# Altium PCB PCB_1313.PcbDoc (part 2 of 2)
Units mm, origin at the board's own origin, x right, y up, seen from the top; angles counter-clockwise.
Board outline 130 x 130 mm, 4 copper layers (Top Layer, Ground Layer, VCC Layer, Bottom Layer), stack 1.586 mm thick; 164 components, 132 nets, 777 pads, 544 vias.
Unrouted connection lines stored in the file: 67.
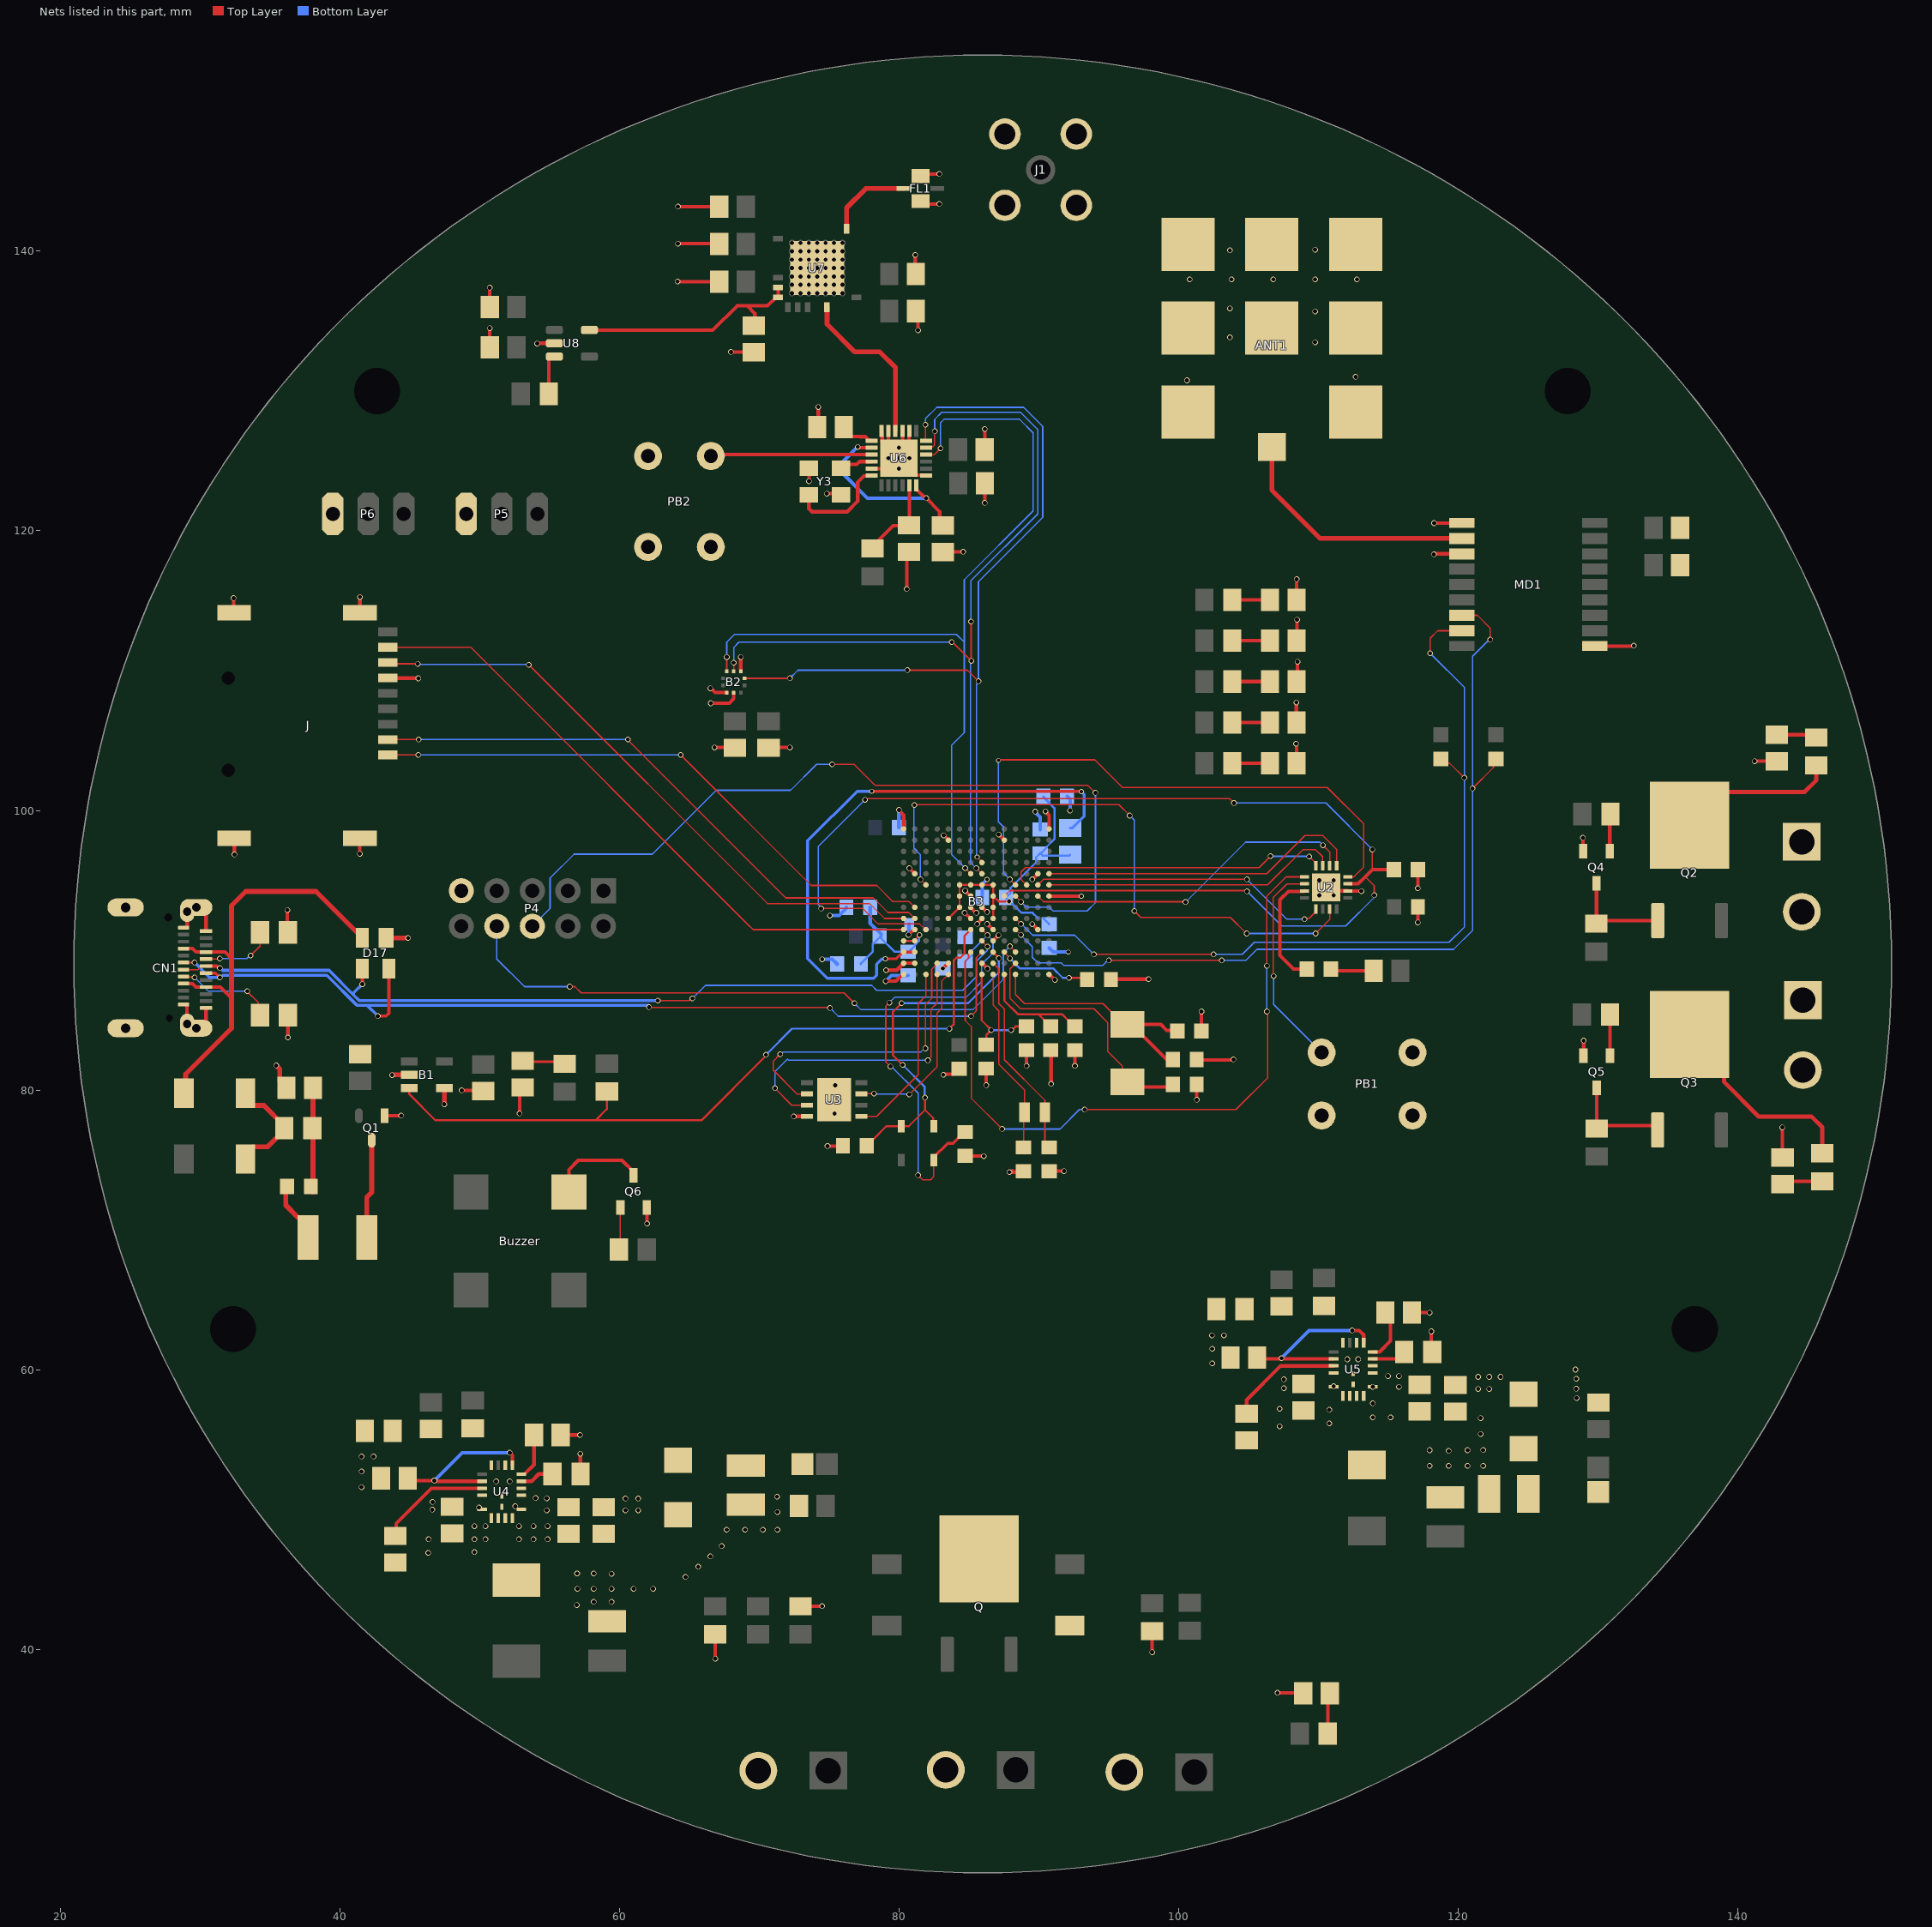
[diagram p4: the nets of this part, all layers, seen from the top]

## Via types
v1: diameter 0.4, hole 0.3, Top Layer to Bottom Layer, 530 vias
v2: diameter 0.35, hole 0.25, Top Layer to Bottom Layer, 14 vias

## Nets (pads, with @x,y where several pads share a name; then routed paths per layer and width w, separated by ;. In a path a pad name is that pad's centre, name@x,y a point inside that pad or via, vN(x,y) a via of type N, cw(c..) or ccw(c..) an arc to the next point about the centre after c; other vN are vias at no path point) (continued)
D_N: B3.M8 CN1.A7 CN1.B7 D17.4 | length 69.3
  Top Layer w0.1: CN1.B7@28.837,89.123 29.61,89.123 v1(29.616,89.129) ; v1(62.117,85.939) 62.148,85.908 75.026,85.908 v1(75.057,85.877) ; v1(85.142,85.289) 85.522,85.669 85.522,89.478 B3.M8@85.922,89.878
  Top Layer w0.222: CN1.A7@30.437,88.373 31.109,88.373 v1(31.42,88.062) ; v1(42.723,85.293) 43.307,85.293 43.51,85.496 D17.4@43.51,88.697
  Bottom Layer w0.1: v1(75.057,85.877) 75.646,85.289 v1(85.142,85.289)
  Bottom Layer w0.222: v1(29.616,89.129) 30.683,88.062 v1(31.42,88.062) 31.468,88.062 31.624,88.217 39.087,88.217 41.246,86.059 41.957,86.059 ; v1(42.723,85.293) 41.957,86.059 ; v1(62.117,85.939) 62.117,86.059 41.957,86.059
D_P: B3.L8 CN1.A6 CN1.B6 D17.3 | length 64
  Top Layer w0.1: CN1.B6@28.837,88.623 29.866,88.623 29.943,88.7 29.949,88.7 30.122,88.873 CN1.A6@30.437,88.873 ; v1@31.339,88.722 v1(31.42,88.722) ; v1(62.739,86.408) 64.99,86.408 65.138,86.556 v1(65.219,86.556) ; B3.L8@85.922,90.678 85.922,90.673 86.319,90.276 v1(86.319,90.271)
  Top Layer w0.222: CN1.A6@30.437,88.873 31.188,88.873 v1@31.339,88.722 ; v1(41.61,87.579) D17.3@41.61,88.697
  Bottom Layer w0.1: v1(65.219,86.556) 66.157,87.494 78.038,87.494 78.384,87.147 84.558,87.147 85.532,88.121 85.532,89.23 85.775,89.473 85.788,89.473 86.305,89.99 86.305,90.257 v1(86.319,90.271)
  Bottom Layer w0.222: v1(31.42,88.722) 31.468,88.722 31.624,88.567 39.232,88.567 40.988,86.81 ; v1(41.61,87.579) 40.988,86.957 40.988,86.81 ; v1(62.739,86.408) 41.391,86.408 40.988,86.81
DAT0: B3.J1 J.7 | length 44.5
  Top Layer w0.1: J.7@43.437,110.572 43.519,110.49 v1(45.568,110.49) ; v1(53.518,110.414) 70.587,93.345 77.889,93.345 78.956,92.278 B3.J1@80.322,92.278
  Bottom Layer w0.1: v1(45.568,110.49) 45.606,110.452 53.48,110.452 v1(53.518,110.414)
DAT0_F: B3.P3 U3.5 | length 12.7
  Top Layer w0.1: U3.5@77.305,78.131 78.385,78.131 81.356,81.102 81.356,86.194 81.922,86.76 B3.P3@81.922,88.278
DAT1: B3.K1 J.8 | length 45.2
  Top Layer w0.1: J.8@43.437,111.672 49.364,111.672 69.139,91.897 69.558,91.478 B3.K1@80.322,91.478
DAT1_F: B3.N4 U3.2 | length 21.5
  Top Layer w0.1: v1(71.497,82.573) 70.993,82.069 70.993,81.432 72.695,79.731 U3.2@73.405,79.731 ; v1(81.878,82.987) 81.878,86.123 82.332,86.576 82.332,88.643 82.722,89.033 B3.N4@82.722,89.078
  Bottom Layer w0.1: v1(71.497,82.573) 71.542,82.573 71.705,82.736 81.564,82.736 81.814,82.987 v1(81.878,82.987)
DAT2: B3.H2 J.1 | length 42.2
  Top Layer w0.1: J.1@43.437,103.972 v1(45.622,103.972) ; v1(64.379,103.972) 73.711,94.64 78.403,94.64 79.546,93.497 80.703,93.497 B3.H2@81.122,93.078
  Bottom Layer w0.1: v1(45.622,103.972) v1(64.379,103.972)
DAT2_F: B3.P4 U3.3 | length 21.7
  Top Layer w0.1: v1(71.12,80.137) 72.326,78.931 U3.3@73.405,78.931 ; v1(82.054,82.132) 82.29,82.369 82.29,82.452 82.284,82.458 82.284,85.803 82.704,86.224 82.704,88.26 B3.P4@82.722,88.278
  Bottom Layer w0.1: v1(71.12,80.137) 71.12,81.331 72.009,82.22 72.096,82.132 v1(82.054,82.132)
DAT3: B3.J2 J.2 | length 43.1
  Top Layer w0.1: J.2@43.437,105.072 43.445,105.08 45.636,105.08 v1(45.644,105.072) ; v1(60.604,105.08) 60.604,105.029 71.882,93.751 78.156,93.751 79.197,92.71 80.69,92.71 B3.J2@81.122,92.278
  Bottom Layer w0.1: v1(45.644,105.072) 45.648,105.076 60.6,105.076 v1(60.604,105.08) v1@60.604,105.029
DAT3_F: B3.P5 U3.7 | length 13.2
  Top Layer w0.1: U3.7@77.305,79.731 77.331,79.756 v1(78.207,79.756) ; v1(80.735,79.697) 82.704,81.667 82.704,85.516 83.039,85.851 83.039,87.795 B3.P5@83.522,88.278
  Bottom Layer w0.1: v1(78.207,79.756) 78.236,79.727 80.705,79.727 v1(80.735,79.697)
DCDC: B3.M1 B3.M2 L1.1 | length 42.2
  Top Layer w0.15: B3.M1@80.248,89.895 B3.M1@80.265,89.878
  Top Layer w0.2: v2(78.037,101.375) 78.051,101.361 93.014,101.361 v2(93.027,101.348) ; v2(79.018,89.389) 79.763,89.389 80.248,89.875 B3.M1@80.248,89.895 ; B3.M1@80.265,89.878 B3.M2@81.122,89.878
  Bottom Layer w0.2: v2(78.037,101.375) 76.997,101.375 73.461,97.839 73.461,89.405 74.862,88.004 78.181,88.004 78.384,88.207 78.384,88.998 78.771,89.385 78.907,89.385 78.912,89.389 v2(79.018,89.389) ; L1.1@92.227,98.74 92.377,98.74 93.234,99.596 93.234,101.141 v2(93.027,101.348)
E14: B3.E14 U2.5 | length 23.3
  Top Layer w0.1: B3.E14@90.722,95.478 106.295,95.478 109.019,98.202 110.299,98.202 111.291,97.21 U2.5@111.291,96.051
F3: B3.F3 U2.15 | length 44.6
  Top Layer w0.1: v1(81.085,100.388) 81.113,100.416 95.716,100.416 v1(96.495,99.637) ; v1@81.528,95.072 B3.F3@81.922,94.678 ; v1(96.825,92.812) 96.825,92.805 97.276,92.354 103.683,92.354 104.833,91.205 v1(104.864,91.205) ; v1(109.791,91.205) 110.791,92.205 U2.15@110.791,92.951
  Top Layer w0.15: v1(81.522,95.072) v1@81.528,95.072 ; B3.F3@81.915,94.678 B3.F3@81.922,94.678
  Bottom Layer w0.1: v1(81.085,100.388) 81.056,100.359 81.056,97.317 81.522,96.852 v1(81.522,95.072) ; v1(96.495,99.637) 96.825,99.307 v1(96.825,92.812) ; v1(104.864,91.205) v1(109.791,91.205)
F11: B3.F11 U2.4 | length 42
  Top Layer w0.1: v2(87.102,103.582) 87.138,103.619 94.001,103.619 95.97,101.651 110.617,101.651 113.233,99.035 113.233,95.963 112.521,95.251 U2.4@112.091,95.251 ; v1(87.922,95.072) 87.925,95.072 88.313,94.684 B3.F11@88.322,94.684
  Top Layer w0.15: B3.F11@88.322,94.678 B3.F11@88.322,94.684
  Bottom Layer w0.1: v2(87.102,103.582) 87.102,99.183 87.458,98.827 87.458,95.536 v1(87.922,95.072)
F12: B3.F12 U2.8 | length 23
  Top Layer w0.1: B3.F12@89.129,94.678 89.113,94.678 88.719,95.072 88.719,95.596 89.033,95.91 105.734,95.91 v1(106.56,96.736) ; v1(109.325,96.705) 109.337,96.705 109.717,96.325 109.717,96.125 U2.8@109.791,96.051
  Top Layer w0.15: B3.F12@89.122,94.678 B3.F12@89.129,94.678
  Bottom Layer w0.1: v1(106.56,96.736) 106.576,96.721 109.309,96.721 v1(109.325,96.705)
F13: B3.F13 U2.13 | length 21.6
  Top Layer w0.1: B3.F13@89.922,94.678 90.316,95.072 v1(104.877,95.072) ; v1(108.991,92.227) 109.049,92.285 109.325,92.285 109.791,92.751 U2.13@109.791,92.951
  Bottom Layer w0.1: v1(104.877,95.072) 107.721,92.227 v1(108.991,92.227)
F14: B3.F14 U2.7 | length 21.5
  Top Layer w0.1: B3.F14@90.722,94.678 106.362,94.678 108.894,97.21 109.767,97.21 110.272,96.705 110.272,96.07 U2.7@110.291,96.051
G13: B3.G13 U2.6 | length 24.1
  Top Layer w0.1: B3.G13@89.922,93.878 90.328,93.472 100.457,93.472 v1(100.482,93.447) ; v1(110.312,97.511) 110.793,97.03 110.793,96.053 U2.6@110.791,96.051
  Bottom Layer w0.1: v1(100.482,93.447) 104.77,97.734 110.089,97.734 v1(110.312,97.511)
GND: ANT1.1 ANT1.2 ANT1.3 ANT1.4 ANT1.5 ANT1.6 ANT1.7 ANT1.9 B1.2 B1.4 B2.3 B2.8 B2.9 B3.A1 B3.A14 B3.B5 B3.B10 B3.E2 B3.E13 B3.G7 B3.G14 B3.H7 B3.H8 B3.J7 B3.J8 B3.K2 B3.K9 B3.K13 B3.L9 B3.N1 B3.N2 B3.N5 B3.N8 B3.P1 B3.P14 C1.2 C2.2 C3.2 C4.2 C5.2 C7.2 C8.2 C9.2 C10.1 C11.2 C12.2 C14.2 C15.2 C16.1 C17.2 C18.2 C19.2 C20.2 C21.2 C22.2 C23.2 C24.2 C25.2 C26.2 C27.2 C28.2 C29.2 C30.2 C31.2 C32.2 C33.2 C34.2 C35.2 C36.2 C37.2 C39.2 C41.1 C42.2 C43.2 C44.2 C45.2 C46.2 C47.1 C48.1 C49.1 C50.1 C51.1 C52.1 C53.2 C54.2 C55.2 C56.2 C57.2 C58.2 C59.2 C60.2 C61.2 C62.2 C63.2 C64.2 CN1.1 CN1.2 CN1.3 CN1.4 CN1.A1 CN1.A12 CN1.B1 CN1.B12 D3.K D5.K D6.K D7.K D8.K D11.K D15.K D16.K D17.1 DBB1.K FL1.1 FL1.3 J1.S1 J1.S2 J1.S3 J1.S4 J.6 J.10 J.11 J.12 J.13 MD1.1 MD1.10 MD1.12 P1.N P2.N P3.N P4.9 P5.3 P6.3 P7.N P8.N PB1.2 PB2.2 Q1.1 Q4.2 Q5.2 Q6.2 R3.2 R5.2 R7.1 R15.1 R18.1 R21.1 R23.1 R24.2 R26.1 R27.2 R32.1 U2.2 U2.17 U3.4 U3.9 U4.6 U4.7 U4.10 U4.11 U4.18 U5.6 U5.7 U5.10 U5.11 U5.18 U6.5 U6.13 U6.20 U6.21 U6.23 U6.24 U6.25 U7.4_6_7_9_14_16_21_23_25 U8.2 Y3.2 Y3.4 | length 168
  Top Layer w0.1: FL1.3@81.528,143.575 FL1.3@81.736,143.367 ; FL1.1@81.528,145.375 FL1.1@81.669,145.517
  Top Layer w0.22: v1(79.985,125.197) 81.2,123.982 81.9,123.982 U6.13@81.935,123.947
  Top Layer w0.25: FL1.1@81.669,145.517 v1(82.88,145.517) ; FL1.3@81.736,143.367 v1(82.871,143.367) ; v1(117.094,91.999) 117.094,93.092 C8.2@117.106,93.104 ; v1(117.094,94.437) 117.094,95.76 R3.2@117.105,95.771
  Top Layer w0.254: CN1.B1@28.837,86.123 29.067,86.123 29.075,86.115 29.075,84.739 CN1.2@29.087,84.728 ; CN1.B12@28.837,91.623 29.079,91.623 29.087,91.631 CN1.1@29.087,92.768 ; CN1.2@29.737,84.428 30,84.428 30.437,84.865 CN1.A12@30.437,85.873 ; CN1.1@29.737,93.068 30,93.068 30.437,92.631 CN1.A1@30.437,91.373 ; v1(32.41,115.189) 32.41,114.179 J.11@32.437,114.152 ; J.12@32.437,98.002 32.461,97.978 v1(32.461,96.85) ; R26.1@35.77,85.42 36.238,85.42 R26.1@36.293,85.365 v1(36.293,83.769) ; v1(36.246,92.888) 36.246,91.481 36.184,91.418 R24.2@36.678,90.924 ; v1(41.427,96.901) 41.427,97.992 J.13@41.437,98.002 ; J.10@41.437,114.152 41.437,115.268 v1(41.44,115.27) ; Q1.1@43.198,78.169 43.21,78.181 v1(44.399,78.181) ; J.6@43.437,109.472 43.449,109.46 45.607,109.46 v1(45.618,109.449) ; v1(48.717,79.985) 50.221,79.985 C34.2@50.267,79.939 ; v1(50.724,134.493) 50.724,133.126 C52.1@50.729,133.121 ; v1(50.724,137.389) 50.724,135.997 C51.1@50.729,135.992 ; v1(52.857,78.334) 52.857,80.112 D11.K@52.883,80.137 ; v1(54.117,133.392) 54.136,133.411 U8.2@55.347,133.411 ; C27.2@55.789,55.347 v1(57.175,55.347) ; v1(57.201,54) 57.201,52.562 R15.1@57.21,52.553 ; Q6.2@61.961,71.621 61.968,71.613 61.968,70.467 v1(61.976,70.46) ; v1(64.151,137.828) 64.158,137.82 C48.1@67.137,137.82 ; v1(64.186,140.538) 67.099,140.538 C47.1@67.137,140.5 ; v1(64.186,143.18) C50.1@67.137,143.18 ; v1(66.497,108.737) 66.537,108.737 66.842,108.433 B2.8@67.674,108.433 ; v1(66.537,107.671) 67.85,107.671 68.174,107.994 B2.9@68.174,108.433 ; v1(66.802,104.508) 68.229,104.508 C64.2@68.25,104.488 ; v1(66.853,39.345) R21.1@66.853,41.088 ; v1(67.97,132.791) 69.576,132.791 C53.2@69.596,132.771 ; B2.3@68.674,109.957 v1(68.674,110.973) ; C63.2@70.664,104.498 70.674,104.508 v1(72.188,104.508) ; v1(72.46,78.122) 72.469,78.131 U3.4@73.405,78.131 ; R27.2@72.949,43.088 72.965,43.104 v1(74.498,43.104) ; Y3.4@73.544,124.48 73.558,124.466 v1(73.558,123.546) ; C42.2@74.148,127.406 74.219,127.478 v1(74.219,128.854) ; v1(74.828,122.657) 75.768,122.657 Y3.2@75.844,122.58 ; v1(74.879,75.997) 75.96,75.997 C10.1@75.985,76.022 ; U3.9@75.355,79.331 75.355,80.257 v1(75.438,80.34) ; U6.5@78.035,124.447 79.235,124.447 v1(79.985,125.197) ; U6.24@78.735,127.147 78.758,127.124 78.758,126.761 78.787,126.732 78.787,126.395 U6.25@79.235,125.947 ; v1(79.047,87.795) 79.769,87.795 B3.P1@80.265,88.292 ; v1(79.064,88.585) 79.829,88.585 B3.N1@80.322,89.078 80.322,89.084 80.33,89.092 81.102,89.092 81.116,89.078 B3.N2@81.122,89.078 ; U6.23@79.235,127.147 U6.25@79.235,125.947 ; v1(79.988,100.037) 79.988,99.997 80.322,99.663 80.322,98.684 B3.A1@80.323,98.683 ; U6.21@80.235,127.147 U6.25@80.235,125.447 ; v1(80.543,115.834) C44.2@80.543,118.44 ; v1(80.667,91.104) 80.672,91.104 81.04,91.472 B3.K2@81.04,91.478 ; U6.20@80.712,127.147 80.712,125.924 U6.25@80.235,125.447 ; v1(80.728,95.875) 80.728,95.872 B3.E2@81.122,95.478 ; v1(81.153,139.725) 81.153,138.4 C54.2@81.199,138.354 ; C49.1@81.199,135.712 81.356,135.555 v1(81.356,134.341) ; U6.13@81.935,123.947 U6.13@81.937,123.949 ; v1(83.119,88.705) 83.134,88.705 83.507,89.078 B3.N5@83.522,89.078 ; C46.2@83.137,118.478 83.158,118.499 v1(84.585,118.499) ; v1(83.16,81.102) 83.199,81.102 83.252,81.155 83.878,81.155 C33.2@84.15,81.428 ; v1(83.182,98.218) B3.B5@83.522,97.878 ; v1(84.685,92.679) 84.703,92.679 85.111,92.271 B3.J7@85.122,92.271 ; C28.2@84.709,75.313 84.736,75.286 v1(86.055,75.286) ; v1(84.722,94.259) 84.722,94.247 85.091,93.878 B3.G7@85.103,93.878 ; B3.H7@85.122,93.078 85.122,93.057 85.5,92.679 v1(85.522,92.679) ; v1(85.582,91.884) 85.582,91.911 85.922,92.251 B3.J8@85.922,92.278 ; B3.N8@85.922,89.078 85.937,89.078 v1(86.319,88.696) ; B3.H8@85.922,93.078 85.94,93.078 86.272,92.747 v1(86.29,92.747) ; C43.2@86.116,125.806 86.131,125.821 v1(86.131,127.279) ; C45.2@86.126,123.393 86.131,123.388 v1(86.131,121.996) ; C9.2@86.207,81.521 86.23,81.498 v1(86.23,80.361) ; v1(86.29,91.884) 86.303,91.884 86.709,91.478 B3.K9@86.722,91.478 ; B3.L9@86.722,90.678 86.722,90.684 87.11,91.072 v1(87.11,91.078) ; v1(87.116,98.281) v1(87.116,98.281) 87.521,97.878 B3.B10@87.528,97.878 ; v1(87.884,74.143) C4.2@88.864,74.143 ; v1@88.022,74.147 88.107,74.232 ; v1(89.109,81.737) C21.2@89.109,82.859 ; v1(89.523,91.871) 89.526,91.871 89.919,91.478 B3.K13@89.926,91.478 ; v1(89.523,95.072) 89.523,95.075 89.922,95.475 B3.E13@89.922,95.478 ; v1(90.473,99.942) 90.473,99.903 90.722,99.654 90.722,98.69 B3.A14@90.728,98.684 ; B3.G14@90.722,93.878 v2(93.036,93.878) ; B3.P14@90.728,88.278 90.732,88.278 91.126,87.884 v1(91.135,87.884) ; C15.2@90.856,82.743 90.872,82.727 v1(90.872,80.449) ; C3.2@90.977,74.207 v1(91.796,74.207) ; C20.2@92.242,82.501 C20.2@92.278,82.465 ; v1(92.572,81.737) 92.572,82.631 C20.2@92.608,82.668 ; C11.2@95.147,87.909 95.178,87.94 v1(97.84,87.94) ; v1(98.095,39.802) R18.1@98.095,41.316 ; v1(101.282,79.31) C1.2@101.282,80.307 ; C2.2@101.304,82.154 103.843,82.154 103.879,82.19 v1(103.905,82.19) ; v1(101.622,85.623) 101.622,84.63 R5.2@101.882,84.371 ; v1(107.061,36.906) 108.88,36.906 DBB1.K@108.905,36.881 ; v1(108.382,104.775) 108.382,104.749 108.428,104.703 D3.K@108.428,103.378 ; v1(108.408,107.726) 108.408,106.274 108.428,106.294 D5.K@108.428,106.299 ; D6.K@108.428,109.22 108.433,109.22 108.488,109.276 v1(108.488,110.636) ; D7.K@108.428,112.141 108.458,112.171 v1(108.458,113.64) ; D8.K@108.428,115.062 108.433,115.067 v1(108.433,116.535) ; U2.17@110.541,94.501 110.791,94.251 U2.2@112.091,94.251 112.093,94.249 113.041,94.249 v1(113.055,94.234) ; C62.2@116.672,64.096 v1(117.932,64.096) ; v1(118.059,62.75) 118.059,61.346 R32.1@118.129,61.276 ; v1(118.237,118.313) 118.263,118.313 118.304,118.354 MD1.12@120.243,118.354 ; v1(118.262,120.548) 118.265,120.551 120.24,120.551 MD1.10@120.243,120.554 ; v1(128.905,98.044) 128.913,98.036 128.913,97.093 Q4.2@128.92,97.086 ; Q5.2@128.946,82.462 128.951,82.467 128.951,83.535 v1(128.956,83.541) ; MD1.1@129.753,111.744 MD1.1@129.743,111.754 132.51,111.754 v1(132.539,111.783) ; v1(141.173,103.52) D15.K@142.773,103.52 ; v1(143.154,77.343) 143.154,75.21 D16.K@143.18,75.185 ; U6.25@79.235,125.947 v1(79.985,125.197) ; v1(79.985,125.197) U6.25@80.235,125.447
  Top Layer w0.35: v1(35.458,81.763) 35.708,81.513 35.708,80.637 C31.2@36.183,80.162 ; D17.1@43.31,90.897 43.326,90.881 v1(44.882,90.881) ; v1(43.739,81.077) 43.764,81.102 B1.2@44.978,81.102 ; v1(47.473,78.994) 47.478,78.999 B1.4@47.478,80.152
  Bottom Layer w0.254: v1(74.498,89.357) 75.226,89.357 C29.2@75.567,89.016 ; v1(75.046,92.485) 75.7,92.485 76.229,93.014 C18.2@76.229,93.064 ; v1(79.047,87.795) 79.458,88.206 C24.2@80.648,88.206 ; C35.2@79.988,98.781 v1(79.988,100.037) ; v1(80.667,91.104) 80.694,91.132 80.694,91.837 C37.2@80.728,91.871 ; C5.2@85.954,93.777 85.954,94.735 v2(86.29,95.072) ; v1(89.734,99.92) 89.734,99.88 90.089,99.525 C22.2@90.089,98.64 ; C30.2@90.729,90.171 91.022,89.878 v2(92.094,89.878) ; C12.2@92.011,101.016 92.227,100.799 v1(92.227,99.993)
  other v1: 56.947,43.18 58.166,43.409 59.436,43.409 56.998,44.348 58.166,44.348 59.436,44.348 61.011,44.348 62.408,44.348 64.719,45.187 59.436,45.415 56.972,45.441 58.166,45.441 65.634,45.923 66.497,46.66 46.33,46.914 49.632,46.965 67.31,47.396 46.356,47.884 49.632,47.884 50.419,47.884 52.807,47.884 53.848,47.884 54.864,47.884 67.666,48.565 68.986,48.565 70.256,48.565 71.299,48.565 49.632,48.819 50.419,48.819 52.807,48.819 53.848,48.819 54.864,48.819 71.299,49.835 49.962,50.165 52.553,50.241 71.272,50.927 41.554,51.613 51.181,52.019 52.146,52.019 41.554,52.73 117.932,53.136 119.304,53.136 120.65,53.136 121.767,53.136 41.554,53.797 42.418,53.797 119.304,54.204 117.932,54.256 120.65,54.256 121.767,54.263 121.59,55.41 107.213,55.969 110.757,56.172 121.59,56.553 113.874,56.603 115.142,56.603 110.757,57.143 107.213,57.214 113.873,57.608 128.448,57.988 128.422,58.649 113.873,58.784 111.073,58.836 128.422,59.36 128.372,60.02 102.387,60.464 112.048,60.756 112.831,60.756 102.387,61.505 102.374,62.472 103.226,62.472 75.387,78.334 110.058,93.944 111.074,93.944 110.058,94.996 111.074,94.996 79.985,124.447 79.235,125.197 80.729,125.197 79.985,125.947 100.584,130.759 112.649,131.013 109.75,133.477 103.657,133.833 109.75,135.687 103.657,135.907 100.788,137.981 103.775,137.981 106.762,137.981 109.75,137.981 112.737,137.981 103.657,140.056 109.75,140.106
GNSS: ANT1.8 MD1.11 | length 18.1
  Top Layer w0.349: ANT1.8@106.655,125.993 106.655,122.911 110.111,119.454 MD1.11@120.243,119.454
K3: B3.G10 B3.K3 R3.1 U2.3 | length 90.6
  Top Layer w0.1: v1(74.427,92.989) 77.394,92.989 78.501,91.883 81.474,91.883 81.865,91.492 B3.K3@81.879,91.478 ; v1(77.561,100.769) 77.619,100.826 77.751,100.826 77.77,100.845 103.645,100.845 103.947,100.544 v1(103.947,100.534) ; B3.G10@87.522,93.878 87.916,94.272 ; 87.919,94.272 104.824,94.272 v1(104.877,94.22) ; 113.333,95.261 113.976,94.618 v1(113.976,93.944) ; 113.843,95.771 v1(113.843,97.21)
  Top Layer w0.254: U2.3@112.091,94.751 112.823,94.751 113.333,95.261 113.843,95.771 R3.1@115.375,95.771
  Bottom Layer w0.1: v1(74.427,92.989) 74.427,93.067 74.219,93.275 74.219,97.426 v1(77.561,100.769) ; v1(103.947,100.534) 110.528,100.534 v1@113.843,97.219 ; v1(104.877,94.22) 107.36,91.736 111.929,91.736 113.976,93.783 v1(113.976,93.944)
M7: B3.M7 U2.9 | length 50.7
  Top Layer w0.1: B3.M7@85.065,89.892 85.065,89.812 84.968,89.715 84.968,89.471 84.722,89.225 84.722,84.982 85.157,84.547 85.157,79.435 v1(87.368,77.223) ; v1(93.269,78.613) 104.089,78.613 106.35,80.874 106.35,85.572 v1(106.299,85.623) ; v1(106.299,88.9) 106.295,88.904 106.295,93.875 107.671,95.251 U2.9@108.991,95.251
  Bottom Layer w0.1: v1(87.368,77.223) 91.509,77.223 92.899,78.613 v1(93.269,78.613) ; v1(106.299,85.623) v1(106.299,88.9)
MISO: B2.5 B3.E7 U6.16 | length 64.2
  Top Layer w0.1: B2.5@67.674,109.957 v1(67.674,110.973) ; U6.16@81.935,125.447 82.516,125.447 v1(82.966,125.897) ; v1(84.722,95.878) B3.E7@85.122,95.478
  Bottom Layer w0.1: v1(67.674,110.973) 67.674,112.047 68.224,112.598 84.099,112.598 84.658,112.039 ; v1(82.966,125.897) 82.966,127.721 83.218,127.973 88.613,127.973 89.586,127 89.586,121.427 84.658,116.5 84.658,112.039 ; v1(84.722,95.878) 83.76,96.84 83.76,104.664 84.658,105.562 84.658,112.039
MOSI: B2.4 B3.E8 U6.17 | length 64.1
  Top Layer w0.1: B2.4@68.174,109.957 v1(68.174,110.566) ; U6.17@81.935,125.947 82.014,126.026 82.443,126.026 82.541,126.124 82.541,127.113 v1(82.548,127.121) ; v1(83.769,112.039) 83.82,112.039 v1(85.164,110.696) 85.154,110.706 85.154,113.503 v1(85.144,113.513) ; v1(85.522,95.87) 85.526,95.87 85.912,95.484 B3.E8@85.922,95.484
  Top Layer w0.15: B3.E8@85.922,95.478 B3.E8@85.922,95.484
  Bottom Layer w0.1: v1(68.174,110.566) 68.174,111.658 68.555,112.039 v1(83.769,112.039) ; v1(82.548,127.121) 82.548,127.963 83.058,128.473 88.672,128.473 89.916,127.23 89.916,121.206 85.144,116.434 v1(85.144,113.513) ; v1(85.164,110.696) 85.106,110.638 85.106,110.491 85.102,110.487 85.102,96.29 v1(85.522,95.87)